# Altium PCB Bin-Image.PcbDoc
Units mil, origin at the board's own origin, x right, y up, seen from the top; angles counter-clockwise.
Board outline 1200 x 1125.3 mil, 2 copper layers (Top Layer, Bottom Layer); 49 components, 44 nets, 230 pads, 84 vias.
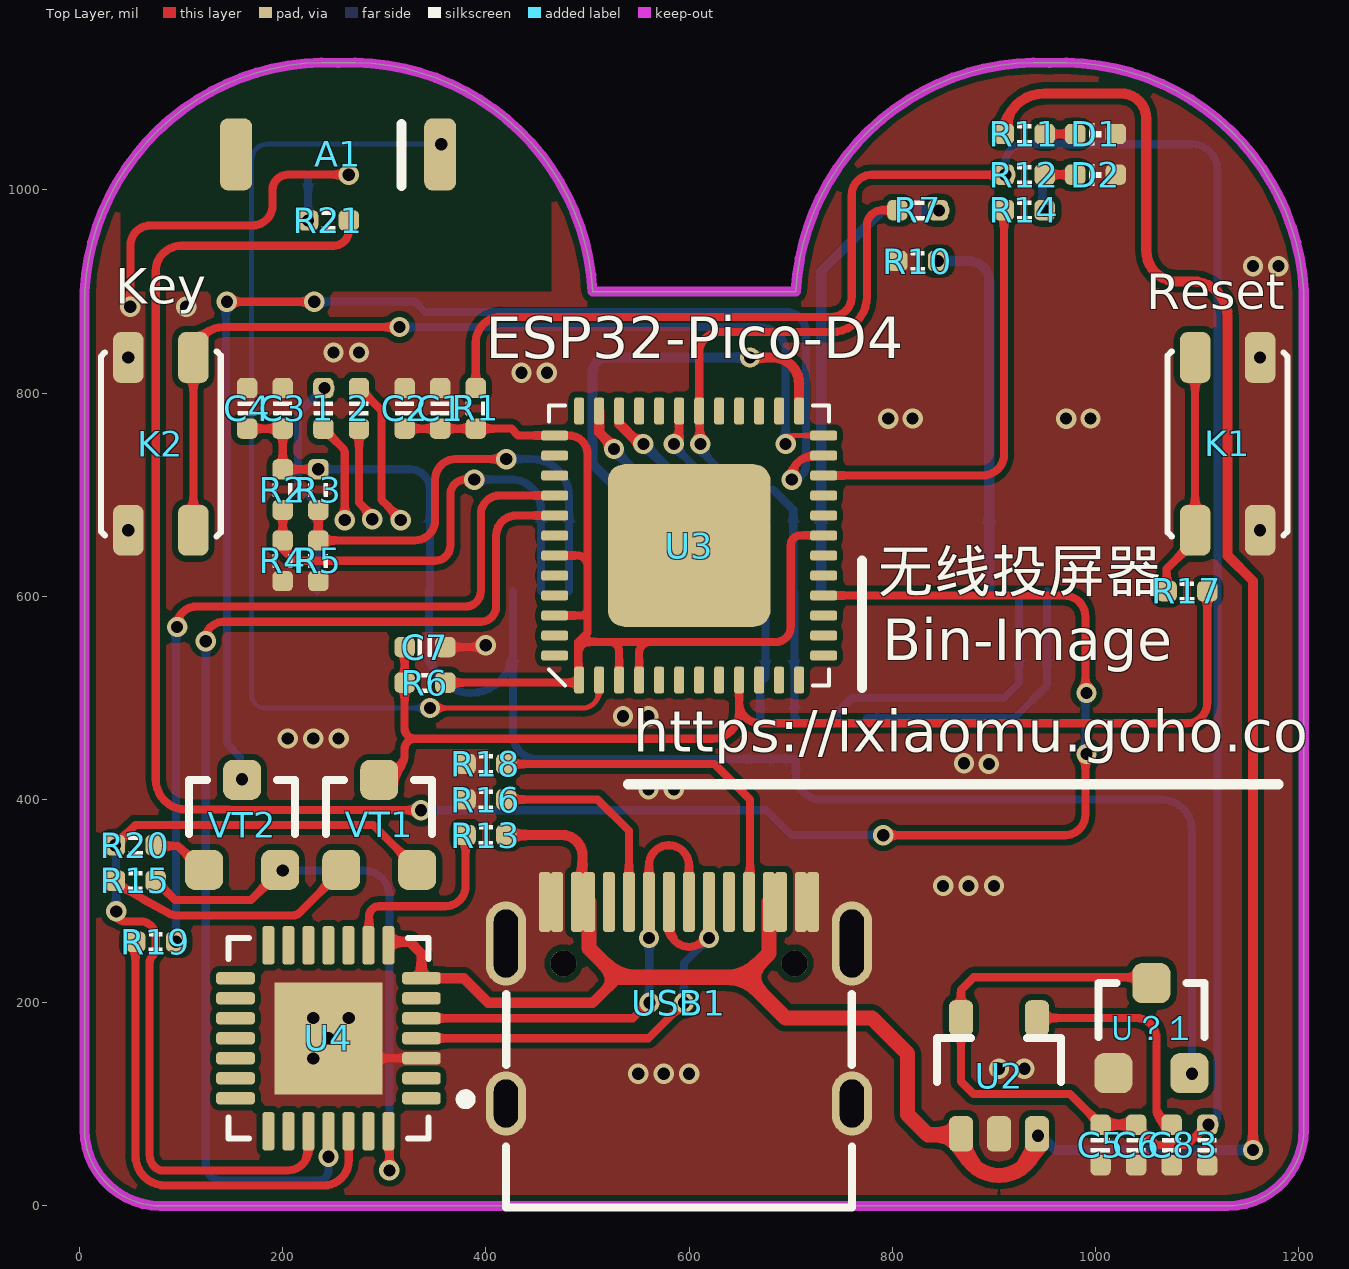
[diagram p0: Top Layer view]
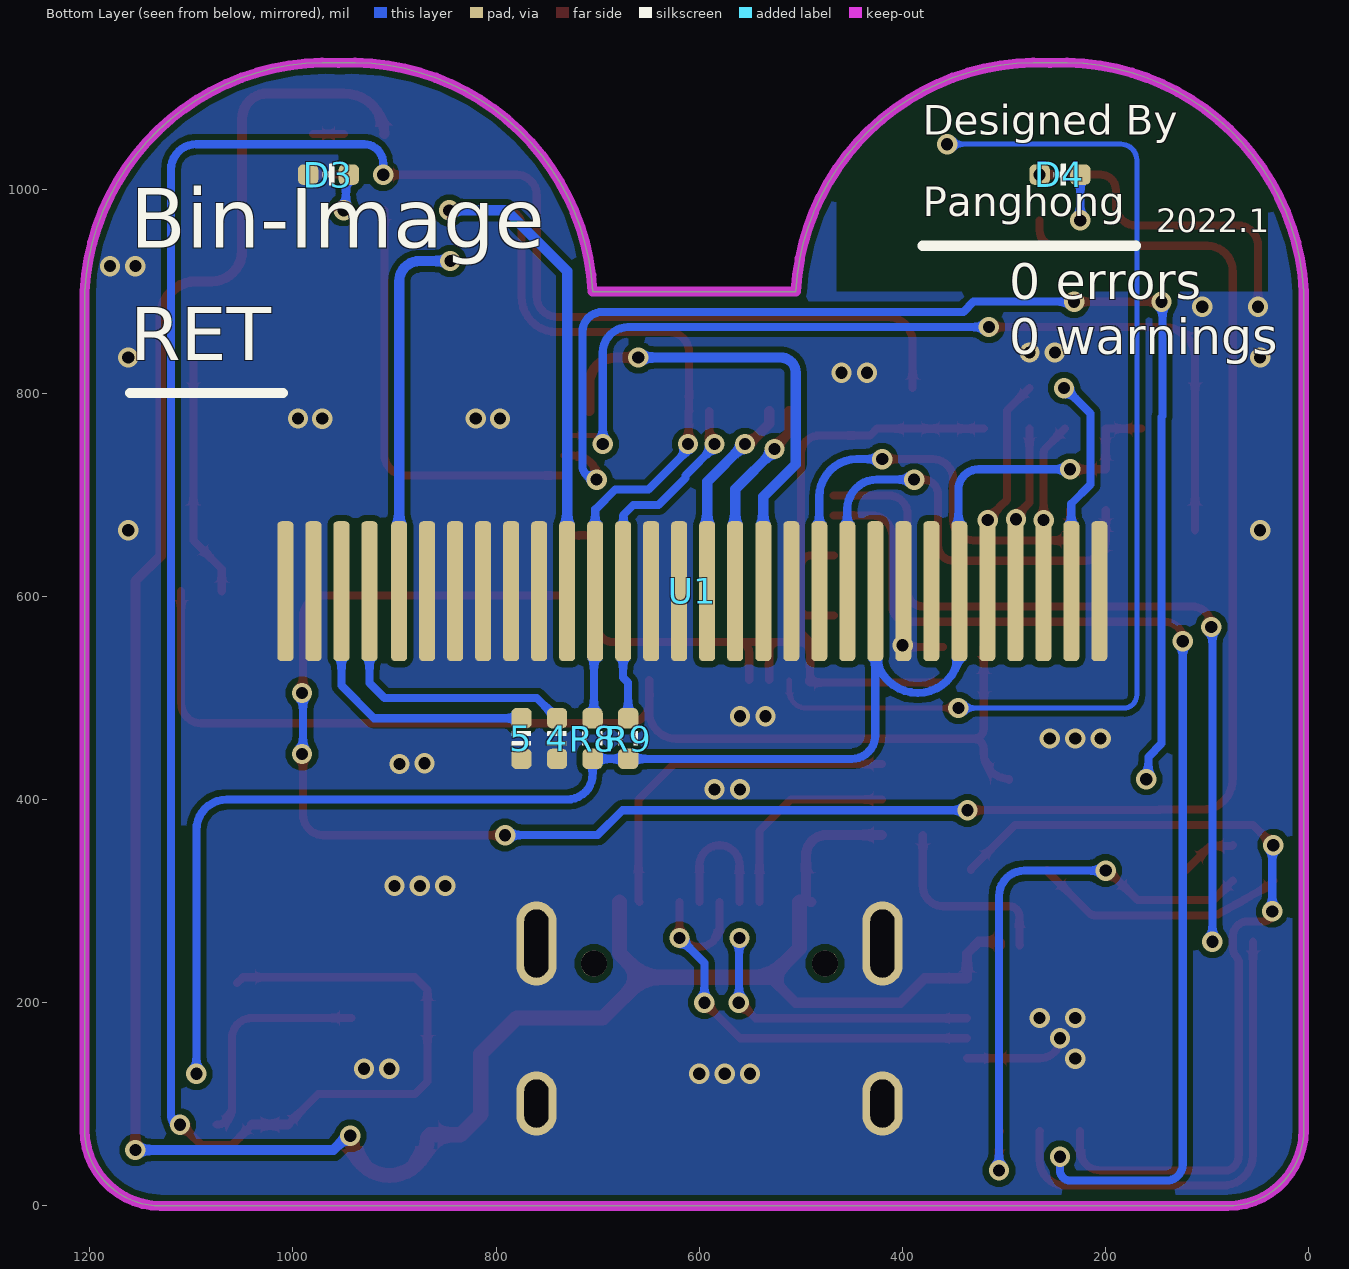
[diagram p1: Bottom Layer view, seen from below]
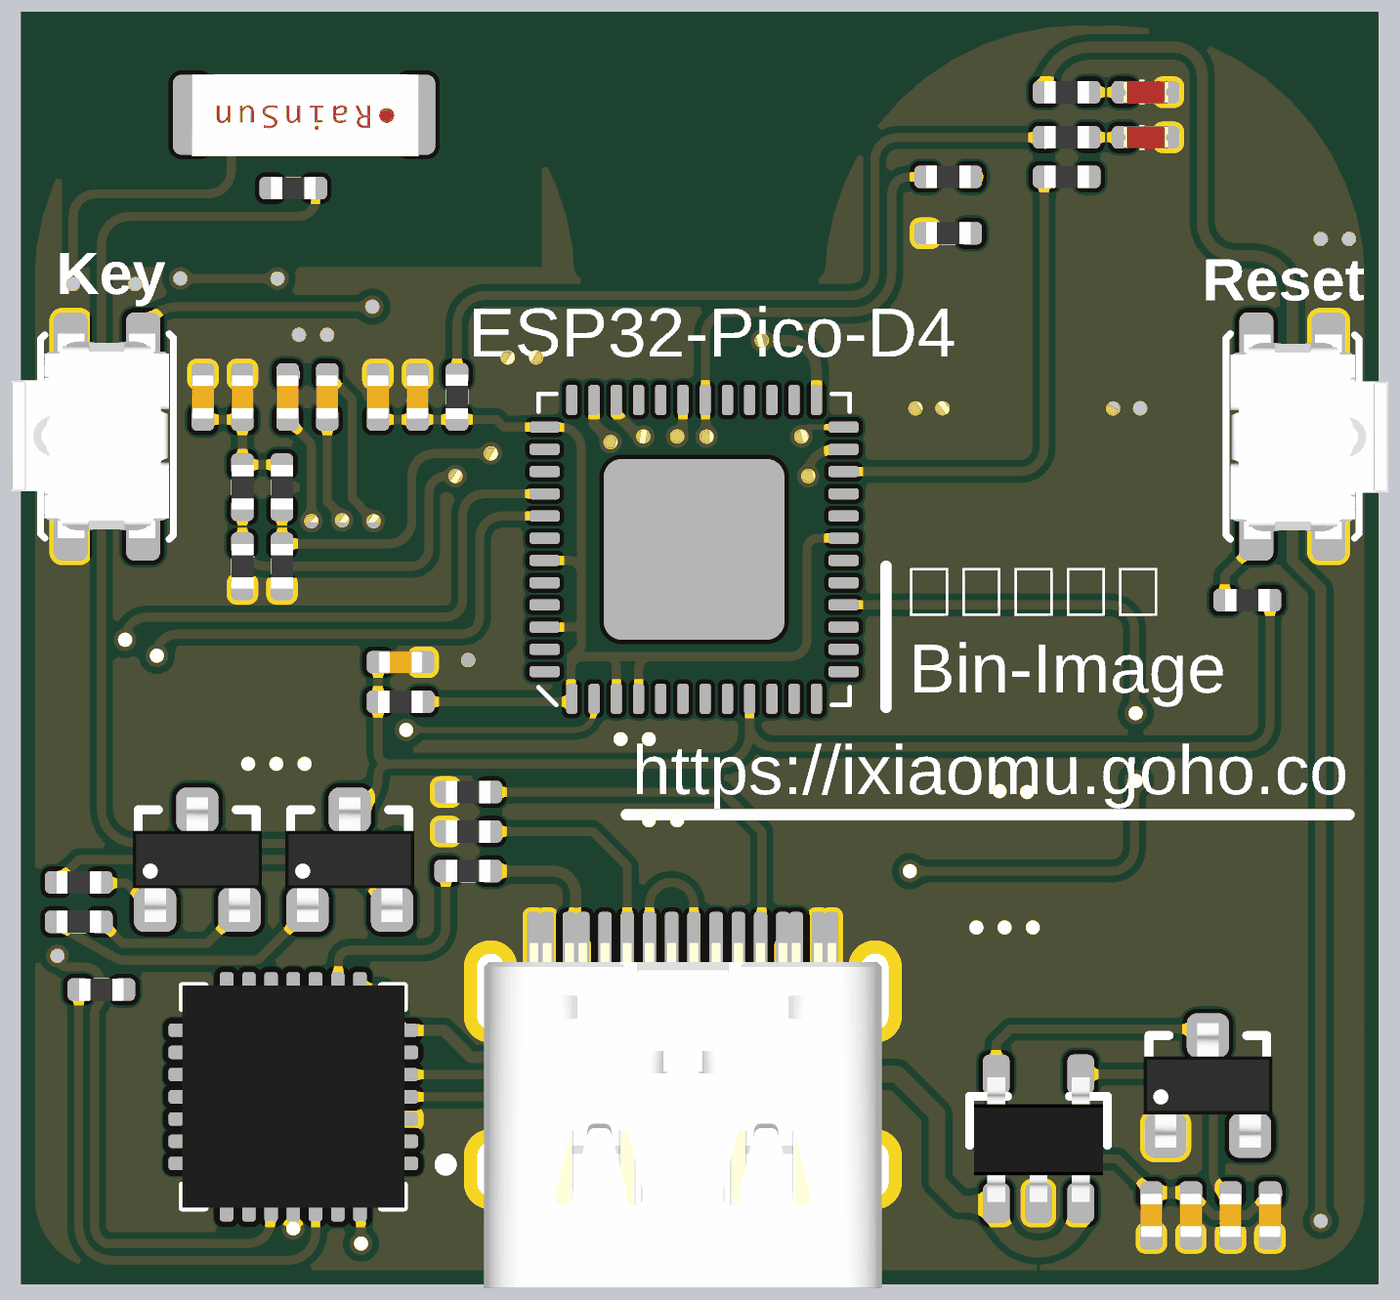
[diagram p2: 3D render of the assembled board from above, using the file's embedded part models]
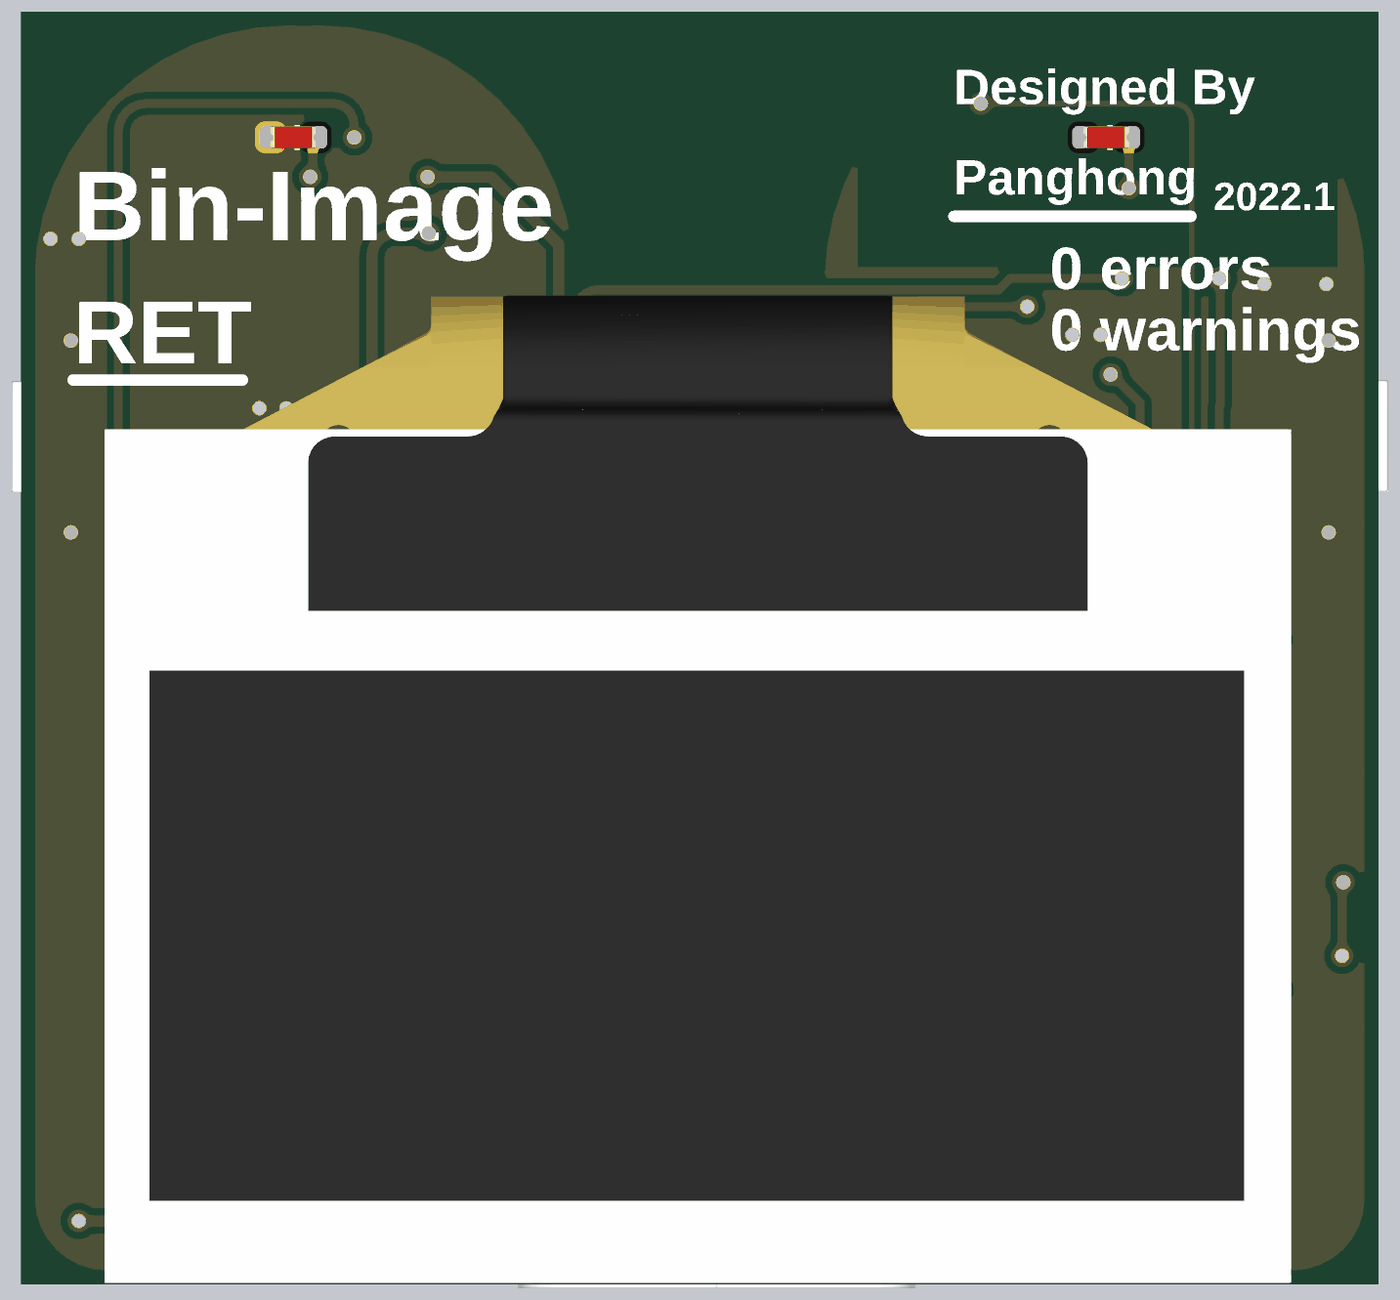
[diagram p3: 3D render of the assembled board from below, using the file's embedded part models]

## Layer stack, top to bottom
Top Solder: solder mask 0.4, Solder Resist, Dk 3.5
Top Layer: signal copper 1.4
Dielectric 1: dielectric 12.6, FR-4, Dk 4.8
Bottom Layer: signal copper 1.4
Bottom Solder: solder mask 0.4, Solder Resist, Dk 3.5

## Board outline
80,0 cw(c80,75) 5,75 5,900 cw(c242.5,887.5) 254.26,1125.04 255,1125 cw(c267.5,887.5) 505,900 705,900 cw(c942.5,887.5) 955,1125 cw(c967.5,887.5) 1205,900 1205,75 cw(c1130,75) 1130,0

## Design rules (kind name [scope] priority, off if disabled: settings)
Clearance [All] p1: gap=6 ignorepadtopadclearanceinfootprint=FALSE
PlaneConnect [All] p1: planeconnectstyle=Direct reliefexpansion=20 reliefentries=4 reliefconductorwidth=10 reliefairgap=10
PolygonConnect [All] p1: connectstyle=Direct reliefconductorwidth=10 reliefentries=4 polygonreliefangle="90 Angle" airgapwidth=10
RoutingVias [All] p1: holewidth=28 width=50 viastyle="Through Hole" minholewidth=28 minwidth=50 maxholewidth=28 maxwidth=50
SolderMaskExpansion [All] p1: expansion=4 istentingtop=FALSE
Width [All] p1: maxlimit=20 minlimit=4 preferedwidth=8
29 further rules are at their usual default settings.

## Components (designator, comment, footprint, x,y, rotation, side; value= is the part's Value field where it differs from the comment)
1 "1uF" CAP_0402 240,785 r90 top value=0.1u
2 "1uF" CAP_0402 275,785 r270 top value=0.1u
3 "2.2uF" CAP_0402 1110,60 r90 top value=0.1u
4 "4.7uF" CAP_0402 740,460 r90 bottom value=0.1u
5 "2.2uF" CAP_0402 775,460 r90 bottom value=0.1u
A1 "RAINSUN" ANT-Rainsun-AN5120 255,1035 r180 top
C1 "10uF" CAP_0402 355,785 r270 top value=0.1u
C2 "0.1uF" CAP_0402 320,785 r270 top value=0.1u
C3 "1uF" CAP_0402 200,785 r270 top value=0.1u
C4 "1uF" CAP_0402 165,785 r270 top value=0.1u
C5 "0.1uF" CAP_0402 1005,60 r90 top value=0.1u
C6 "10uF" CAP_0402 1040,60 r90 top value=0.1u
C7 "10uF" CAP_0402 340,550 r180 top value=0.1u
C8 "10nF" CAP_0402 1075,60 r270 top value=0.1u
D1 "color?" LED_0402_RED 1000,1055 r0 top
D2 "color?" LED_0402_RED 1000,1015 r0 top
D3 "color?" LED_0402_RED 965,1015 r0 bottom
D4 "color?" LED_0402_RED 245,1015 r0 bottom
K1 "TACT 4P" ButtonTACT_3.5*3.55_90 1130,750 r270 top value=3.4x3.5
K2 "TACT 4P" ButtonTACT_3.5*3.55_90 80,750 r90 top value=3.4x3.5
R1 "0R" RES_0402 390,785 r90 top value=22R
R2 "4.7K" RES_0402 200,705 r90 top value=22R
R3 "4.7K" RES_0402 235,705 r90 top value=22R
R4 "4.7K" RES_0402 200,635 r90 top value=22R
R5 "4.7K" RES_0402 235,635 r90 top value=22R
R6 "10K" RES_0402 340,515 r0 top value=22R
R7 "0R" RES_0402 825,980 r0 top value=22R
R8 "4.7K" RES_0402 705,460 r90 bottom value=22R
R9 "4.7K" RES_0402 670,460 r90 bottom value=22R
R10 "620K" RES_0402 825,930 r0 top value=22R
R11 "2K" RES_0402 930,1055 r0 top value=22R
R12 "2K" RES_0402 930,1015 r0 top value=22R
R13 "10K" RES_0402 400,365 r180 top value=22R
R14 "2K" RES_0402 930,980 r0 top value=22R
R15 "12K" RES_0402 55,320 r180 top value=22R
R16 "5.1K" RES_0402 400,400 r180 top value=22R
R17 "1K" RES_0402 1090,605 r0 top value=22R
R18 "5.1K" RES_0402 400,435 r180 top value=22R
R19 "200R" RES_0402 75,260 r180 top value=22R
R20 "12K" RES_0402 55,355 r0 top value=22R
R21 "2K" RES_0402 245,970 r180 top value=22R
U1 "0.96OLED" OLED-0.96-30Pin 401.68,495 r270 bottom
U2 "LP2992 3V3" SOT23-5 905,130 r90 top
U3 "ESP32_SIP" QFN-48_7X7 600,650 r90 top
U4 "CP2102" QFN-28 245,165 r180 top value=Value
USB1 "Type-C" Type-C-TOP 590,200 r270 top
U？1 "662K" SOT23 1055,175 r0 top
VT1 "S8050" SMT_TRIODE_NPN 295,375 r0 top
VT2 "S8050" SMT_TRIODE_NPN 160,375 r0 top

## Footprints (in the part's own frame and the unit in brackets; to place one, negate y for a bottom-side part, rotate by r counter-clockwise, add the part's x,y. Pads: shape width x height; smd on the part's side, far side on the other; paste and mask are expansions set on the pad)
ANT-Rainsun-AN5120 [mm] "选择焊盘"
  rrect50% 0.8x1.8 smd: 1(-2.54,0) ""(2.563,0)
  silkscreen extent -1.57,-0.76 -1.57,0.79, body extent -2.57,-0.91 2.54,0.94, height 1.32
ButtonTACT_3.5*3.55_90 [mil]
  rrect50% 50x30 smd: 1(-85,32) 2(-85,-32) 3(85,32) 4(85,-32)
  silkscreen extent -91,-59 91,59, body extent -90,-55 91,85, height 56
CAP_0402 [mil]
  rrect50% 20x20 smd: 1(-20,0) 2(20,0)
  silkscreen extent -7,-9 7,9, body extent -20,-10 20,10, height 20
LED_0402_RED [mil]
  rrect50% 20x20 smd: 1(-20,0) 2(20,0)
  silkscreen extent -6,-10 6,10, body extent -20,-10 20,10, height 18
OLED-0.96-30Pin [mm]
  rrect50% 3.5x0.4 smd: 1(-2.794,4.962) 2(-2.794,4.262) 3(-2.794,3.562) 4(-2.794,2.862) 5(-2.794,2.162) 6(-2.794,1.462) 7(-2.794,0.762) 8(-2.794,0.062) 9(-2.794,-0.638) 10(-2.794,-1.338) 11(-2.794,-2.038) 12(-2.794,-2.738) 13(-2.794,-3.438) 14(-2.794,-4.139) 15(-2.794,-4.839) 16(-2.794,-5.539) 17(-2.794,-6.239) 18(-2.794,-6.939) 19(-2.794,-7.639) 20(-2.794,-8.339) 21(-2.794,-9.039) 22(-2.794,-9.739) 23(-2.794,-10.439) 24(-2.794,-11.139) 25(-2.794,-11.839) 26(-2.794,-12.539) 27(-2.794,-13.283) 28(-2.794,-13.983) 29(-2.794,-14.683) 30(-2.794,-15.383)
  body extent -9.65,-18.56 12.56,8.14, height 4.18
QFN-28 [mil]
  rrect50% 38x12 smd mask+5: 1(-91.5,59.06) 2(-91.5,39.37) 3(-91.5,19.68) 4(-91.5,0) 5(-91.5,-19.68) 6(-91.5,-39.37) 7(-91.5,-59.06) 15(91.5,-59.06) 16(91.5,-39.37) 17(91.5,-19.68) 18(91.5,0) 19(91.5,19.68) 20(91.5,39.37) 21(91.5,59.06)
  rrect50% 12x38 smd mask+5: 8(-59.06,-91.5) 9(-39.37,-91.5) 10(-19.68,-91.5) 11(0,-91.5) 12(19.68,-91.5) 13(39.37,-91.5) 14(59.06,-91.5) 22(59.06,91.5) 23(39.37,91.5) 24(19.68,91.5) 25(0,91.5) 26(-19.68,91.5) 27(-39.37,91.5) 28(-59.06,91.5)
  rect 106.3x110.24 smd: 29(0,0)
  silkscreen extent -140,-99 99,99, body extent -99,-99 98,98, height 35
QFN-48_7X7 [mm]
  rrect50% 0.675x0.25 smd: 1(-3.363,2.75) 2(-3.363,2.25) 3(-3.363,1.75) 4(-3.363,1.25) 5(-3.363,0.75) 6(-3.363,0.25) 7(-3.363,-0.25) 8(-3.363,-0.75) 9(-3.363,-1.25) 10(-3.363,-1.75) 11(-3.363,-2.25) 12(-3.363,-2.75) 25(3.363,-2.75) 26(3.363,-2.25) 27(3.363,-1.75) 28(3.363,-1.25) 29(3.363,-0.75) 30(3.363,-0.25) 31(3.363,0.25) 32(3.363,0.75) 33(3.363,1.25) 34(3.363,1.75) 35(3.363,2.25) 36(3.363,2.75)
  rrect50% 0.25x0.675 smd: 13(-2.75,-3.363) 14(-2.25,-3.363) 15(-1.75,-3.363) 16(-1.25,-3.363) 17(-0.75,-3.363) 18(-0.25,-3.363) 19(0.25,-3.363) 20(0.75,-3.363) 21(1.25,-3.363) 22(1.75,-3.363) 23(2.25,-3.363) 24(2.75,-3.363) 37(2.75,3.363) 38(2.25,3.363) 39(1.75,3.363) 40(1.25,3.363) 41(0.75,3.363) 42(0.25,3.363) 43(-0.25,3.363) 44(-0.75,3.363) 45(-1.25,3.363) 46(-1.75,3.363) 47(-2.25,3.363) 48(-2.75,3.363)
  rrect20% 4.064x4.064 smd: 49(0,0)
  silkscreen extent -3.5,-3.5 3.5,3.5, body extent -3.5,-3.5 3.5,3.5, height 1
RES_0402 [mil]
  rrect50% 20x20 smd: 1(-20,0) 2(20,0)
  silkscreen extent -7,-10 7,10, body extent -20,-10 20,10, height 14
SMT_TRIODE_NPN [mm] "Surface mount NPN transistor, package SOT-23"
  rrect50% 0.95x1 smd: 1(-0.95,-1.125) 2(0.95,-1.125) 3(0,1.125)
  silkscreen extent -1.33,-0.22 1.32,1.13, body extent -1.45,-1.4 1.45,1.4, height 1.3
SOT23 [mm] "Surface mount NPN transistor, package SOT-23"
  rrect50% 0.95x1 smd: 1(-0.95,-1.125) 2(0.95,-1.125) 3(0,1.125)
  silkscreen extent -1.33,-0.22 1.32,1.13, body extent -1.45,-1.4 1.45,1.4, height 1.3
SOT23-5 [mm] "SOT23, 3-Leads, Body 3.1x3.0mm (max), Pitch 0.95mm, IPC Medium Density"
  rrect50% 0.889x0.6 smd: 1(-1.5,0.95) 2(-1.5,0) 3(-1.5,-0.95) 4(1.396,-0.95) 5(1.396,0.95)
  silkscreen extent -0.2,-1.55 0.9,1.55, body extent -1.48,-1.45 1.32,1.45, height 1.2
Type-C-TOP [mm]
  round 0.65 hole 0.65: 0(-0.98,2.89) 0(-0.98,-2.89)
  oval 1.6x1 hole 0.6 slot 1.2 at 0 deg: 1(2.52,4.325) 2(2.52,-4.325)
  oval 2.1x1 hole 0.6 slot 1.7 at 0 deg: 3(-1.48,-4.325) 4(-1.48,4.325)
  rrect50% 1.5x0.3 smd: A1(-2.52,-3.35) A4(-2.52,-2.55) A5(-2.52,-1.25) A6(-2.52,-0.25) A7(-2.52,0.25) A8(-2.52,1.25) A9(-2.52,2.55) A12(-2.52,3.35) B1(-2.52,3.05) B4(-2.52,2.25) B5(-2.52,1.75) B6(-2.52,0.75) B7(-2.52,-0.75) B8(-2.52,-1.75) B9(-2.52,-2.25) B12(-2.52,-3.05)
  silkscreen extent -0.22,-4.33 5.12,4.33, body extent -2.57,-4.48 5.18,4.48, height 3.26

## Part data
1 2 3 4 5 C1 C2 C3 C4 C5 C6 C7 C8: library part 电容-0402, "Capacitor"
A1: library part ANT-Rainsun-AP5120
D1 D2 D3 D4: library part LED_0402, "LED", Type=0402
K1 K2: library part ButtonTACT, "Button", Type="TACT 4P"
R1 R2 R3 R4 R5 R6 R7 R8 R9 R10 R11 R12 R13 R14 R15 R16 R17 R18 R19 R20 R21: library part 电阻-0402, "Resistor"
U1: "焊接式 0.96OLED 30pin 0.7"
U2: library part LP2992, "LDO"
U3: library part ESP32-PICO
U4: "USB转TTL", MFG #1="SILICON LABS", PART DESC="SINGLE-CHIP USB TO UART BRIDGE, QFN28, RoHS.", PART NUMBER=CP2102, RefDes=RefDes, Type=DEV
USB1: library part USB-Type-C-TOP
U？1: library part XC6206P332MR
VT1 VT2: library part SMT_TRIODE_NPN, "Surface mount NPN transistor, package SOT-23"

## Via types
v1: diameter 20, hole 12, Top Layer to Bottom Layer, tented both sides, 84 vias

## Nets (pads, with @x,y where several pads share a name; then routed paths per layer and width w, separated by ;. In a path a pad name is that pad's centre, name@x,y a point inside that pad or via, vN(x,y) a via of type N, cw(c..) or ccw(c..) an arc to the next point about the centre after c; other vN are vias at no path point)
3V3A: C1.2 C2.2 R1.1 R6.2 U3.1 U3.3 U3.4 U3.19 U3.37 U3.43 U3.46 | length 1047.6
  Top Layer w8: C2.2 C1.2 R1.1 425,765 431.73,758.27 U3.37 481.73,758.27 cw(c481.73,740) 500,740 500,630 ; R6.2 490.81,515 491.73,515.92 U3.1 490.91,518.44 490.91,555 ; U3.46 496.1,581.1 500,585 ; U3.43 489.84,640.16 cw(c489.84,630) 500,630 ; U3.3 531.1,546.1 ccw(c522.2,546.1) 522.2,555 ; U3.4 550.79,544.21 cw(c561.57,544.21) 561.57,555 ; U3.19 732.22,660 709.69,660 ccw(c709.69,650.31) 700,650.31 700,570 cw(c685,570) 685,555 561.57,555 ; 490.91,555 522.2,555 ; 490.91,555 500,564.09 500,585 ; 500,585 500,630 ; 522.2,555 561.57,555
CP_Rx: U3.41 U4.25 | length 1108.8
  Top Layer w8: v1@123.12,555.91 cw(c142.21,555.91) 142.21,575 395,575 ccw(c395,590) 410,590 410,659.53 cw(c430,659.53) 430,679.53 U3.41
  Bottom Layer w8: v1(124.2,555.8) 124.2,40.8 ccw(c140,40.8) 140,25 235,25 ccw(c235,35) 245,35 v1(245,48.41)
CP_Tx: R19.1 U3.40 | length 789.9
  Top Layer w8: v1@95,570 v1@96.08,571.08 ; v1(96.08,569.88) v1@96.08,571.08 ; U3.40 413.42,699.21 ccw(c413.42,680.8) 395,680.8 395,605 cw(c380,605) 380,590 115,590 ccw(c115,571.08) v1@96.08,571.08
  Bottom Layer w8: v1(95,260) v1@95,570
CS: U1.13 U3.25 | length 481.6
  Top Layer w10: v1(660,835) 682.29,835 cw(c682.29,809.03) 708.27,809.03 U3.25
  Bottom Layer w10: U1.13 537.03,697.97 505,730 505,820 cw(c520,820) 520,835 v1(660,835)
D0: R9.2 U1.18 U3.31 | length 358.5
  Top Layer w8: v1(585,750) 585,753.25 590.16,758.4 U3.31
  Bottom Layer w8: v1(585,750) 585,747.68 613.65,719.03 613.65,716.35 640,690 665,690 674.72,680.28 674.72,605.16 675,604.88 675,520 670,515 R9.2
D1: R7.1 R8.2 U1.19 U3.30 | length 719.6
  Top Layer w8: v1(611.08,749.88) 610.46,750.5 610.46,781.76 U3.30 610,782.38 610,840 cw(c630,840) 630,860 740,860 ccw(c740,895) 775,895 775,965 cw(c790,965) 790,980 R7.1
  Bottom Layer w8: v1@610,745 650,705 682.68,705 701.78,685.9 702.44,685.9 U1.19 703.72,603.72 703.72,481.28 R8.2
D/C: U1.15 U3.34 | length 205.1
  Top Layer w10: U3.34 531.1,769.74 548.93,751.91 553.09,751.91 v1(555,750)
  Bottom Layer w10: v1(555,750) 592.2,712.8 U1.15
DTR: R15.1 U4.28 VT2.2 | length 574.3
  Top Layer w8: R15.1 93.98,301.02 168.7,301.02 197.4,329.72 VT2.2 199.29,330.71 v1(200,330) ; U4.28 cw(c304.06,72.56) 305,72.56 v1(305,35)
  Bottom Layer w8: v1(200,330) 280,330 cw(c280,305) 305,305 v1(305,35)
EN: C7.2 R6.1 R17.2 U3.9 VT1.3 | length 1116.1
  Top Layer w8: VT1.3 295,420.28 ccw(c295,445.28) 320,445.28 320,449.72 cw(c330.14,449.72) 330.14,459.86 ; C7.2 R6.1 320,470 ccw(c330.14,470) 321.36,464.93 ccw(c330.14,470) 330.14,459.86 ; U3.9 649.21,495.79 ; R17.2 1110,495 cw(c1090,495) 1090,475 670,475 cw(c670,495.79) 649.21,495.79 ; 330.14,459.86 622.82,459.86 ccw(c622.82,486.25) 649.21,486.25 649.21,495.79
GND: 3.1 4.1 5.1 C1.1 C2.1 C3.1 C4.1 C5.1 C6.1 C7.1 C8.2 D1.2 D2.2 D3.2 D4.2 K1.1 K1.3 K2.1 K2.3 R4.1 R5.1 R10.1 R16.2 R18.2 U1.1 U1.8 U1.12 U1.16 U1.17 U1.21 U1.22 U1.23 U1.24 U1.25 U1.29 U1.30 U2.2 U4.3 U4.29 USB1.1 USB1.2 USB1.3 USB1.4 USB1.A1 USB1.A12 USB1.B1 USB1.B12 U？1.1 | length 464.1
  Top Layer w8: v1(50,885) 50,945 cw(c70,945) 70,965 170,965 ccw(c170,985) 190,985 190,1000 cw(c205,1000) 205,1015 v1(265,1015) ; v1(245,165) ccw(c264.68,165) 264.68,145.32 U4.3 ; C7.1 v1@400,550
  other v1: 550,130 575,130 600,130 905,135 930,135 230,145 230,185 265,185 850,315 875,315 900,315 560,410 585,410 895,435 870.52,435.76 205,460 230,460 255,460 534.9,481.88 559.9,481.88 399.9,551.88 48,665 1162,665 796.08,774.88 820,775 971.08,774.88 995,775 435,820 460,820 48,835 1162,835 250,840 275,840 105,885 1155,925 1180,925
GPIO0: U3.23 VT2.3 | length 1262.6
  Top Layer w8: v1(145,890) 145.06,889.94 231.02,889.94 v1(231.08,889.88) ; v1@700,715 cw(c723.58,715) 723.58,738.58 U3.23
  Bottom Layer w8: v1(145,890) 144,889 144,777.31 145,776.31 145,455 158,442 158,422 v1(160,420) ; v1@230,890 330,890 340,880 695,880 cw(c695,860) 715,860 715,728.8 cw(c701.08,728.8) v1(701.08,714.88)
KEY: K2.2 K2.4 U3.24 | length 916.5
  Top Layer w5: v1(695,750) cw(c703.27,750) 703.27,758.27 U3.24
  Top Layer w8: K2.2 K2.4 cw(c142,835) 142,865 v1(315,865)
  Bottom Layer w8: v1(315,865) 670,865 cw(c670,840) 695,840 v1(695,750)
LED: R14.1 U3.22 | length 429.7
  Top Layer w8: U3.22 888.9,718.9 ccw(c888.9,740) 910,740 R14.1
LED1: R21.1 U3.16 | length 2139.9
  Top Layer w8: R21.1 265,960 cw(c250,960) 250,945 100,945 ccw(c100,920) 75,920 75,420 ccw(c105,420) 105,390 146.07,390 cw(c146.03,382) 147.35,389.89 ccw(c150.65,408.96) 150.65,389.61 169.35,389.61 ccw(c169.35,408.96) 170.98,389.68 cw(c171.64,381.7) 171.97,389.7 176.56,389.51 ccw(c176.89,397.5) 176.85,389.5 v1@335,389.5 ; U3.16 969.21,600.79 cw(c969.21,580) 990,580 v1@990,505 ; v1(791.08,364.88) 969.88,364.88 ccw(c969.88,385) 990,385 990,443.8 cw(c991.08,443.8) v1(991.08,444.88)
  Bottom Layer w8: v1(336.08,389.38) 675.62,389.38 700,365 v1@790,365 ; v1@990,445 990,503.8 cw(c991.08,503.8) v1(991.08,504.88)
Net1_1: 1.1 U1.3 | length 98.4
  Top Layer w8: 1.1 258.74,746.26 cw(c253.08,740.61) 261.08,740.61 v1(261.08,675)
Net1_2: 1.2 U1.2 | length 218.2
  Bottom Layer w8: U1.2 233.88,691.12 215,710 215,780 v1@240,805
  other v1: 241.08,804.88
Net2_1: 2.1 U1.5 | length 146.7
  Top Layer w8: 2.1 297.22,782.78 297.22,695.05 298.29,693.98 302.37,689.9 cw(c288.2,675.79) 302.93,689.32 v1(316.08,675)
Net2_2: 2.2 U1.4 | length 94.7
  Top Layer w8: 2.2 275.08,764.92 275.08,692.15 288.2,679.03 v1(288.2,675.79)
Net4_2: 4.2 U1.27 | length 289.4
  Bottom Layer w8: 4.2 760,500 910,500 924.65,514.65 U1.27
Net5_2: 5.2 U1.28 | length 283.3
  Bottom Layer w8: 5.2 920,480 952.2,512.2 U1.28
NetA1_1: A1.1 U3.2 | length 1091
  Top Layer w5: v1(345,490) 495,490 ccw(c495,506.42) 511.42,506.42 U3.2
  Bottom Layer w5: v1(345,490) 182.23,490 cw(c182.23,502.85) 169.38,502.85 169.38,1029.38 cw(c185,1029.38) 185,1045 v1@355,1045
  other v1: 356.08,1044.88
NetC8_1: C8.1 U2.4 | length 222.6
  Top Layer w8: U2.4 942.4,185 1040,185 cw(c1040,165) 1060,165 1060,95 ccw(c1075,95) C8.1
NetD1_1: D1.1 R11.2 | length 30
  Top Layer w8: R11.2 D1.1
NetD2_1: D2.1 R12.2 | length 30
  Top Layer w8: R12.2 D2.1
NetD3_1: D3.1 R14.2 | length 37.1
  Bottom Layer w8: D3.1 947.7,1012.3 947.7,982.3 v1(950,980)
NetD4_1: D4.1 R21.2 | length 45
  Bottom Layer w8: v1(225,970) D4.1
NetK1_2: K1.2 K1.4 R17.1 | length 241.6
  Top Layer w8: R17.1 1070,627 1098,655 K1.4 K1.2
NetR2_1: R2.1 R4.2 U1.10 | length 466.8
  Top Layer w8: R2.1 R4.2 ccw(c220,655) 220,635 350,635 ccw(c350,650) 365,650 365,700 cw(c380,700) 380,715 v1@395,715
  Bottom Layer w8: v1(388.58,714.88) 388.58,715 425,715 cw(c425,685.65) 454.35,685.65 U1.10
NetR3_1: R3.1 R5.2 U1.11 | length 453.9
  Top Layer w8: R3.1 R5.2 330,655 ccw(c330,675) 350,675 350,715 cw(c370,715) 370,735 v1(420,735)
  Bottom Layer w8: v1(420,735) 445,735 cw(c445,698.09) 481.91,698.09 U1.11
NetR7_2: R7.2 U1.20 | length 454.9
  Bottom Layer w10: U1.20 730,920 790,980 v1@845,980
  other v1: 846.08,979.88
NetR10_2: R10.2 U1.26 | length 366.8
  Bottom Layer w10: v1(845,930) 875.35,930 cw(c875.35,910) 895.35,910 U1.26
NetR13_2: R13.2 U4.9 | length 191.3
  Top Layer w8: U4.9 285,256.5 285,285 cw(c295,285) 295,295 360,295 ccw(c360,315) 380,315 R13.2
NetR15_2: R15.2 VT1.1 | length 250.9
  Top Layer w8: R15.2 40,315 62.5,302.01 ccw(c70,315) 62.73,301.88 88.21,287.76 ccw(c95,300) 95,286 210.56,286 ccw(c210.56,294) 216.22,288.34 257.6,329.72 VT1.1
NetR16_1: R16.1 USB1.A5 | length 203.5
  Top Layer w8: R16.1 510,400 540.79,369.21 USB1.A5
NetR18_1: R18.1 USB1.B5 | length 355.7
  Top Layer w8: R18.1 625,435 660,400 660,300.32 USB1.B5
NetR19_2: R19.2 U4.26 | length 480.2
  Top Layer w8: R19.2 55,50 ccw(c85,50) 85,20 240,20 ccw(c240,45) 265,45 265,73.5 U4.26
NetR20_2: R20.2 VT2.1 | length 57.7
  Top Layer w8: R20.2 75.6,354.4 97,354.4 120.69,330.71 VT2.1
RES: U1.14 U3.35 | length 199.4
  Top Layer w10: U3.35 511.5,782.3 511.5,761.21 526,746.71 v1(526,745)
  Bottom Layer w10: v1(526,745) 526,744 564.65,705.35 U1.14
RTS: R20.1 U4.24 VT1.2 | length 856.2
  Top Layer w8: v1@35,290 ccw(c45,290) 45,280 60,280 cw(c60,265) 75,265 75,255 cw(c60,255) 71.07,244.88 ccw(c77,239.51) 69,239.55 69,50 ccw(c85,50) 77.75,35.74 ccw(c81.34,42.89) 80,35 205,35 ccw(c205,55.32) 225.32,55.32 U4.24 ; v1(35,355) 55,375 289.09,375 332.4,331.69 VT1.2
  Bottom Layer w8: v1(35,355) cw(c35,353.92) 36.08,353.92 v1(36.08,289.88)
USB-PWR-DM: U4.5 USB1.A7 USB1.B7 | length 428
  Top Layer w8: U4.5 544.68,184.68 v1@560,200 ; USB1.B7 560.47,335.47 cw(c580,335.47) 580,355 cw(c580,335.16) 599.84,335.16 USB1.A7
  Bottom Layer w8: v1(560.47,263.74) 560.78,263.43 560.78,200.19 v1(561.08,199.88)
USB-PWR-DP: U4.4 USB1.A6 USB1.B6 | length 457.8
  Top Layer w8: U4.4 560,165 v1(595,200) ; USB1.A6 580.16,274.84 ccw(c600,274.84) 600,255 ccw(c600,274.53) 619.53,274.53 USB1.B6
  Bottom Layer w8: v1(595,200) 595,239.21 v1(619.53,263.74)
VBUS: R11.1 R13.1 U2.1 U2.3 U4.7 U4.8 USB1.A4 USB1.A9 USB1.B4 USB1.B9 | length 2614.7
  Top Layer w10: U4.8 304.06,259 305.06,260 325,260 336.5,248.5 U4.7 378.22,224.06 402.28,200 505,200 530,225 ; R13.1 475,365 cw(c475,345) 495,345 495,304.61 cw(c489.61,304.61) USB1.A4 ; R11.1 cw(c950,1055) 950,1095 1025,1095 cw(c1025,1070) 1050,1070 1050,940 ccw(c1080,940) 1080,910 1095,910 cw(c1095,875) 1130,875 1130,640 1155,615 v1(1155,55)
  Top Layer w15: USB1.B9 501.42,253.58 530,225 655,225 ; USB1.B4 678.58,248.58 655,225 ; U2.3 942.4,67.4 cw(c905,67.4) 905,30 cw(c905,67.4) 867.6,67.4 865,70 835,70 815,90 815,150 780,185 695,185 655,225
  Bottom Layer w10: v1(943.48,69.06) 946.19,69.06 960.24,55 v1(1155,55)
VCC: 3.2 C5.2 C6.2 R1.2 R12.1 U2.5 U？1.3 | length 2455.1
  Top Layer w8: R1.2 390,850 cw(c415,850) 415,875 740,875 ccw(c740,895) 760,895 760,995 cw(c779.88,995) 779.88,1014.88 v1(911.08,1014.88) ; C5.2 975,110 880,110 867.6,122.4 U2.5 867.6,212.6 880,225 1049.29,225 U？1.3 ; C6.2 1060,60 1090,60 3.2
  Top Layer w10: C5.2 C6.2
  Bottom Layer w8: v1(911.08,1014.88) 911.08,1026.08 cw(c930,1026.08) 930,1045 1095,1045 cw(c1095,1020) 1120,1020 1120,88.8 cw(c1111.08,88.8) v1(1111.08,79.88)
VCC_OLED: C3.2 C4.2 R2.2 R3.2 R8.1 R9.1 U1.6 U1.9 U？1.2 | length 1630.5
  Top Layer w8: C4.2 C3.2 R2.2 v1(235,725)
  Bottom Layer w8: v1(235,725) 325,725 cw(c325,705) 345,705 345,605.88 cw(c344.12,605.88) U1.6 344.12,545.88 ccw(c385,545.88) 385,505 ccw(c385,546.79) U1.9@426.79,546.79 ; U1.9 U1.9@426.79,546.79 ; v1(1095,130) 1095,370 ccw(c1065,370) 1065,400 730,400 cw(c730,425) 705,425 R8.1 R9.1 450,440 cw(c450,463.21) 426.79,463.21 U1.9@426.79,546.79
pads on no net: A1. U1.7 U3.5 U3.6 U3.7 U3.8 U3.10 U3.11 U3.12 U3.13 U3.14 U3.15 U3.17 U3.18 U3.20 U3.21 U3.26 U3.27 U3.28 U3.29 U3.32 U3.33 U3.36 U3.38 U3.39 U3.42 U3.44 U3.45 U3.47 U3.48 U3.49 U4.1 U4.2 U4.6 U4.10 U4.11 U4.12 U4.13 U4.14 U4.15 U4.16 U4.17 U4.18 U4.19 U4.20 U4.21 U4.22 U4.23 U4.27 USB1.0 USB1.A8 USB1.B8

## Polygon pours and split planes (outlines as drawn)
GND on Bottom Layer "GND_L02_P000" (solid, pour order 0): 80,0 cw(c80,75) 5,75 5,900 cw(c242.5,887.5) 254.26,1125.04 255,1125 cw(c267.5,887.5) 505,900 705,900 cw(c942.5,887.5) 955,1125 cw(c967.5,887.5) 1205,900 1205,75 cw(c1130,75) 1130,0
GND on Top Layer "GND_L01_P001" (solid, pour order 1): 80,0 cw(c80,75) 5,75 5,900 cw(c242.5,887.5) 254.26,1125.04 255,1125 cw(c267.5,887.5) 505,900 705,900 cw(c942.5,887.5) 955,1125 cw(c967.5,887.5) 1205,900 1205,75 cw(c1130,75) 1130,0

## Keep-outs
Keep-Out Layer:
  lines w10: 254.26,1125.04 ccw(c242.5,887.5) 5,900 5,75 ccw(c80,75) 80,0 1130,0 ccw(c1130,75) 1205,75 1205,900 ccw(c967.5,887.5) 955,1125 ccw(c942.5,887.5) 705,900 505,900 ccw(c267.5,887.5) 255,1125

## Other copper
Top Layer:
  pour cut-out: 40,900 465,900 465,1125 40,1125
Bottom Layer:
  pour cut-out: 40,900 465,900 465,1125 40,1125

## Silkscreen, mask and mechanical layers (free items; w line width, h text height)
Top Overlay:
  lines w10: 540,415 1180,415 ; 770,510 770,635
  text "Key" at 35,876.32 h60
  text "Reset" at 1050,870.61 h60
  text "ESP32-Pico-D4" at 400,820.78 h70
  text "无线投屏器" at 785,591.09 h70
  text "Bin-Image" at 790,523.15 h70
  text "https://ixiaomu.goho.co" at 545,433.15 h70
Bottom Overlay:
  lines w10: 170,945 380,945 ; 1010,800 1160,800
  text "Designed By" at 380,1044.42 h50
  text "Panghong" at 380,964.42 h50
  text "2022.1" at 150,950.48 h40
  text "Bin-Image" at 1160,923.87 h100
  text "0 errors" at 295,880.72 h60
  text "0 warnings" at 295,826.32 h60
  text "RET" at 1160,815 h90
Mechanical 1:
  lines w10: 0,900 cw(c5,900) 0.01,900.26 ; 0,900 cw(c5,900) 0.01,900.26 ; 0,900 0,75 ccw(c80,75) 80,-5 1130,-5 ccw(c1130,75) 1210,75 1210,900 ; 0.01,900.26 cw(c242.5,887.5) 254.51,1130.03 ; 254.51,1130.03 ccw(c254.26,1125.04) 254.51,1130.03 ; 254.51,1130.03 255,1130.01 cw(c267.5,887.5) 509.7,905 700.3,905 cw(c942.5,887.5) 955,1130.01 cw(c967.5,887.5) 1209.99,900.26 ; 1210,900 ccw(c1205,900) 1209.99,900.26 ; 1210,900 ccw(c1205,900) 1209.99,900.26